# Altium PCB WATSH.PcbDoc (part 1 of 2)
Units mm, origin at the board's own origin, x right, y up, seen from the top; angles counter-clockwise.
Board outline 152.4 x 101.6 mm, 2 copper layers (Top Layer, Bottom Layer); 60 components, 41 nets, 179 pads, 101 vias.
Unrouted connection lines stored in the file: 1.
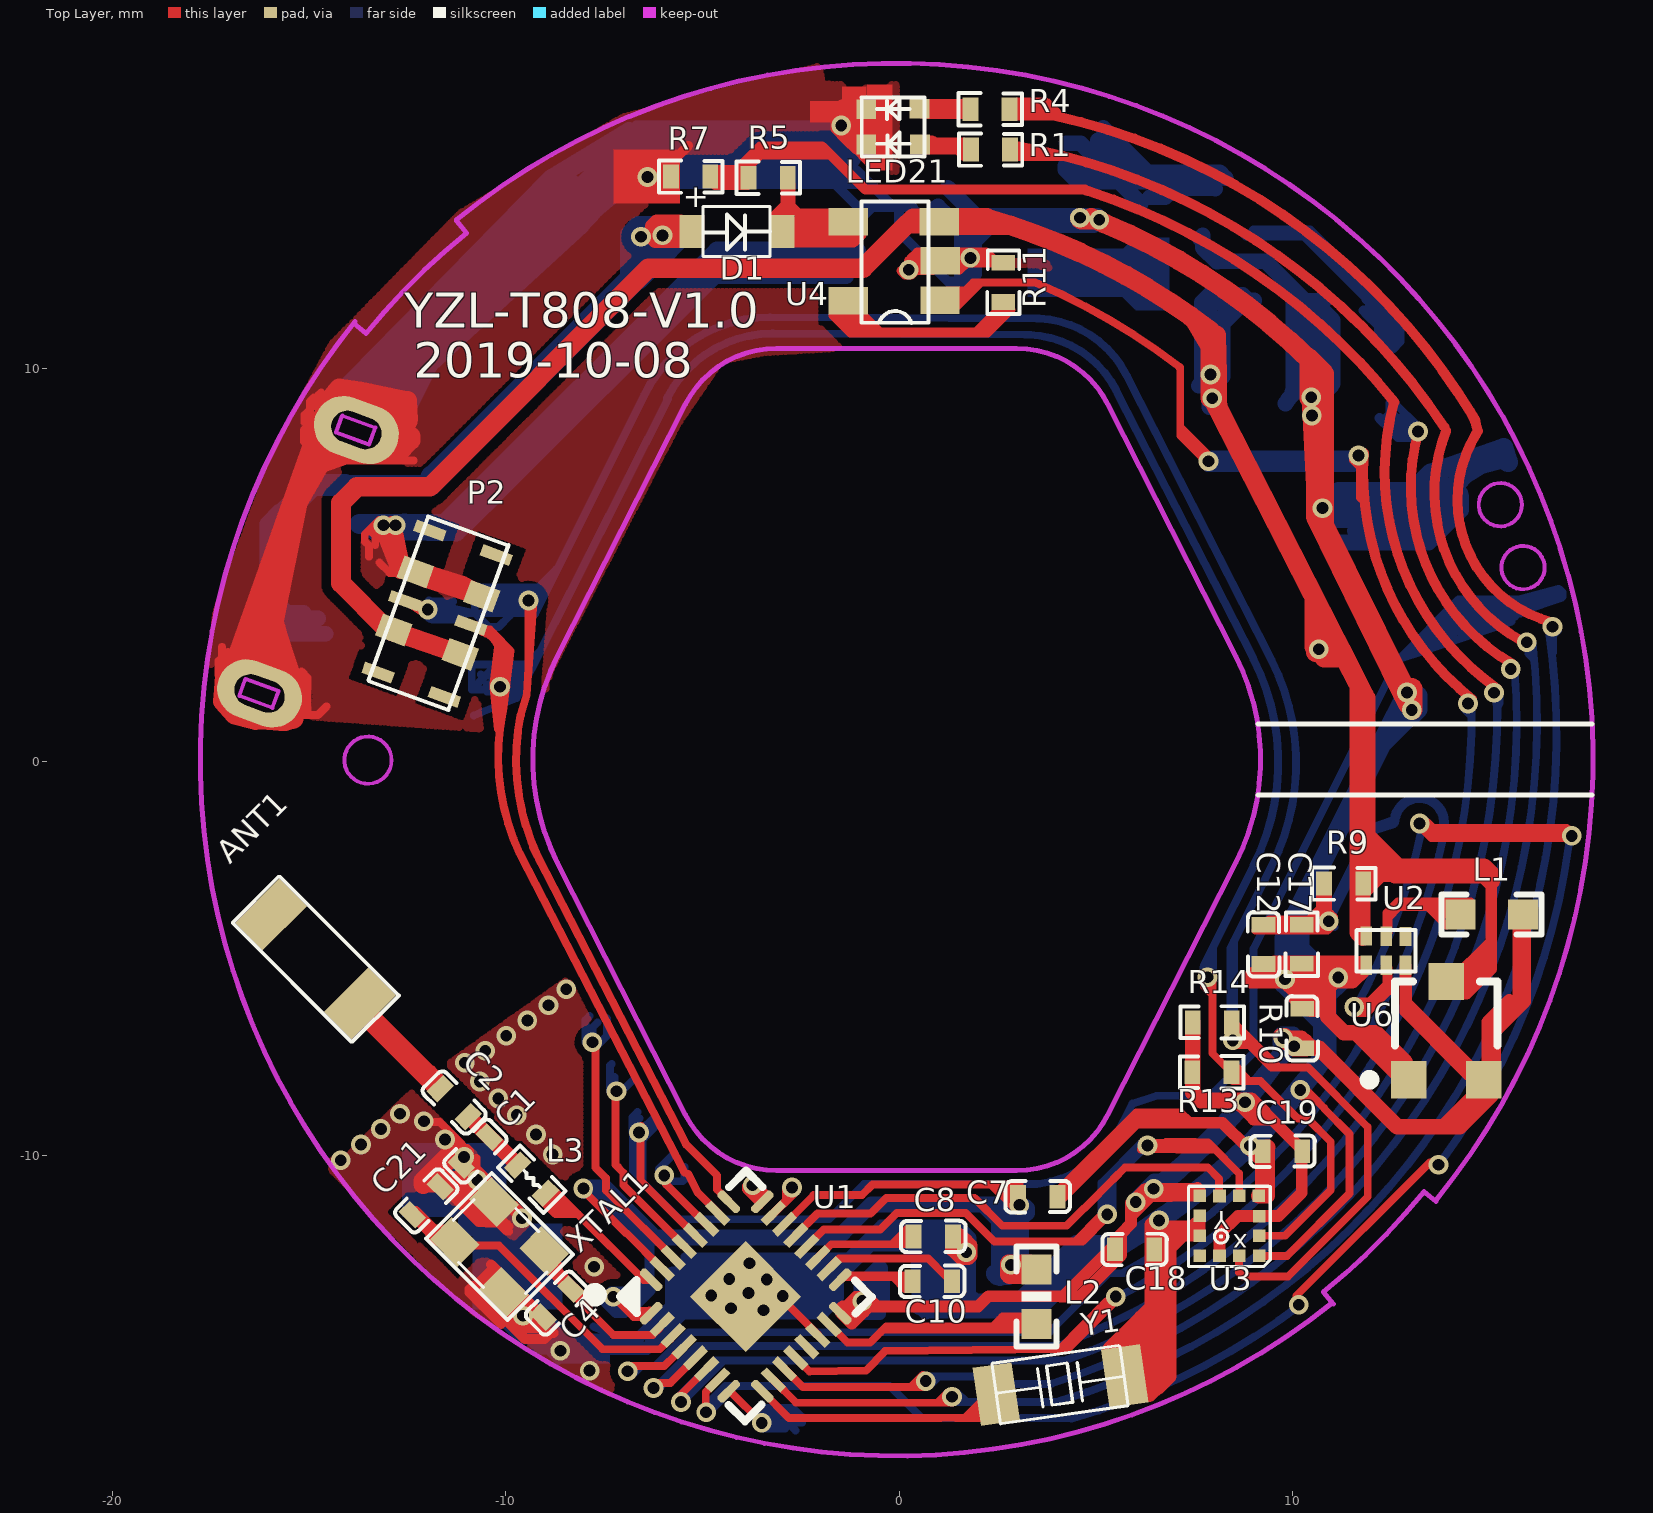
[diagram p0: Top Layer view]
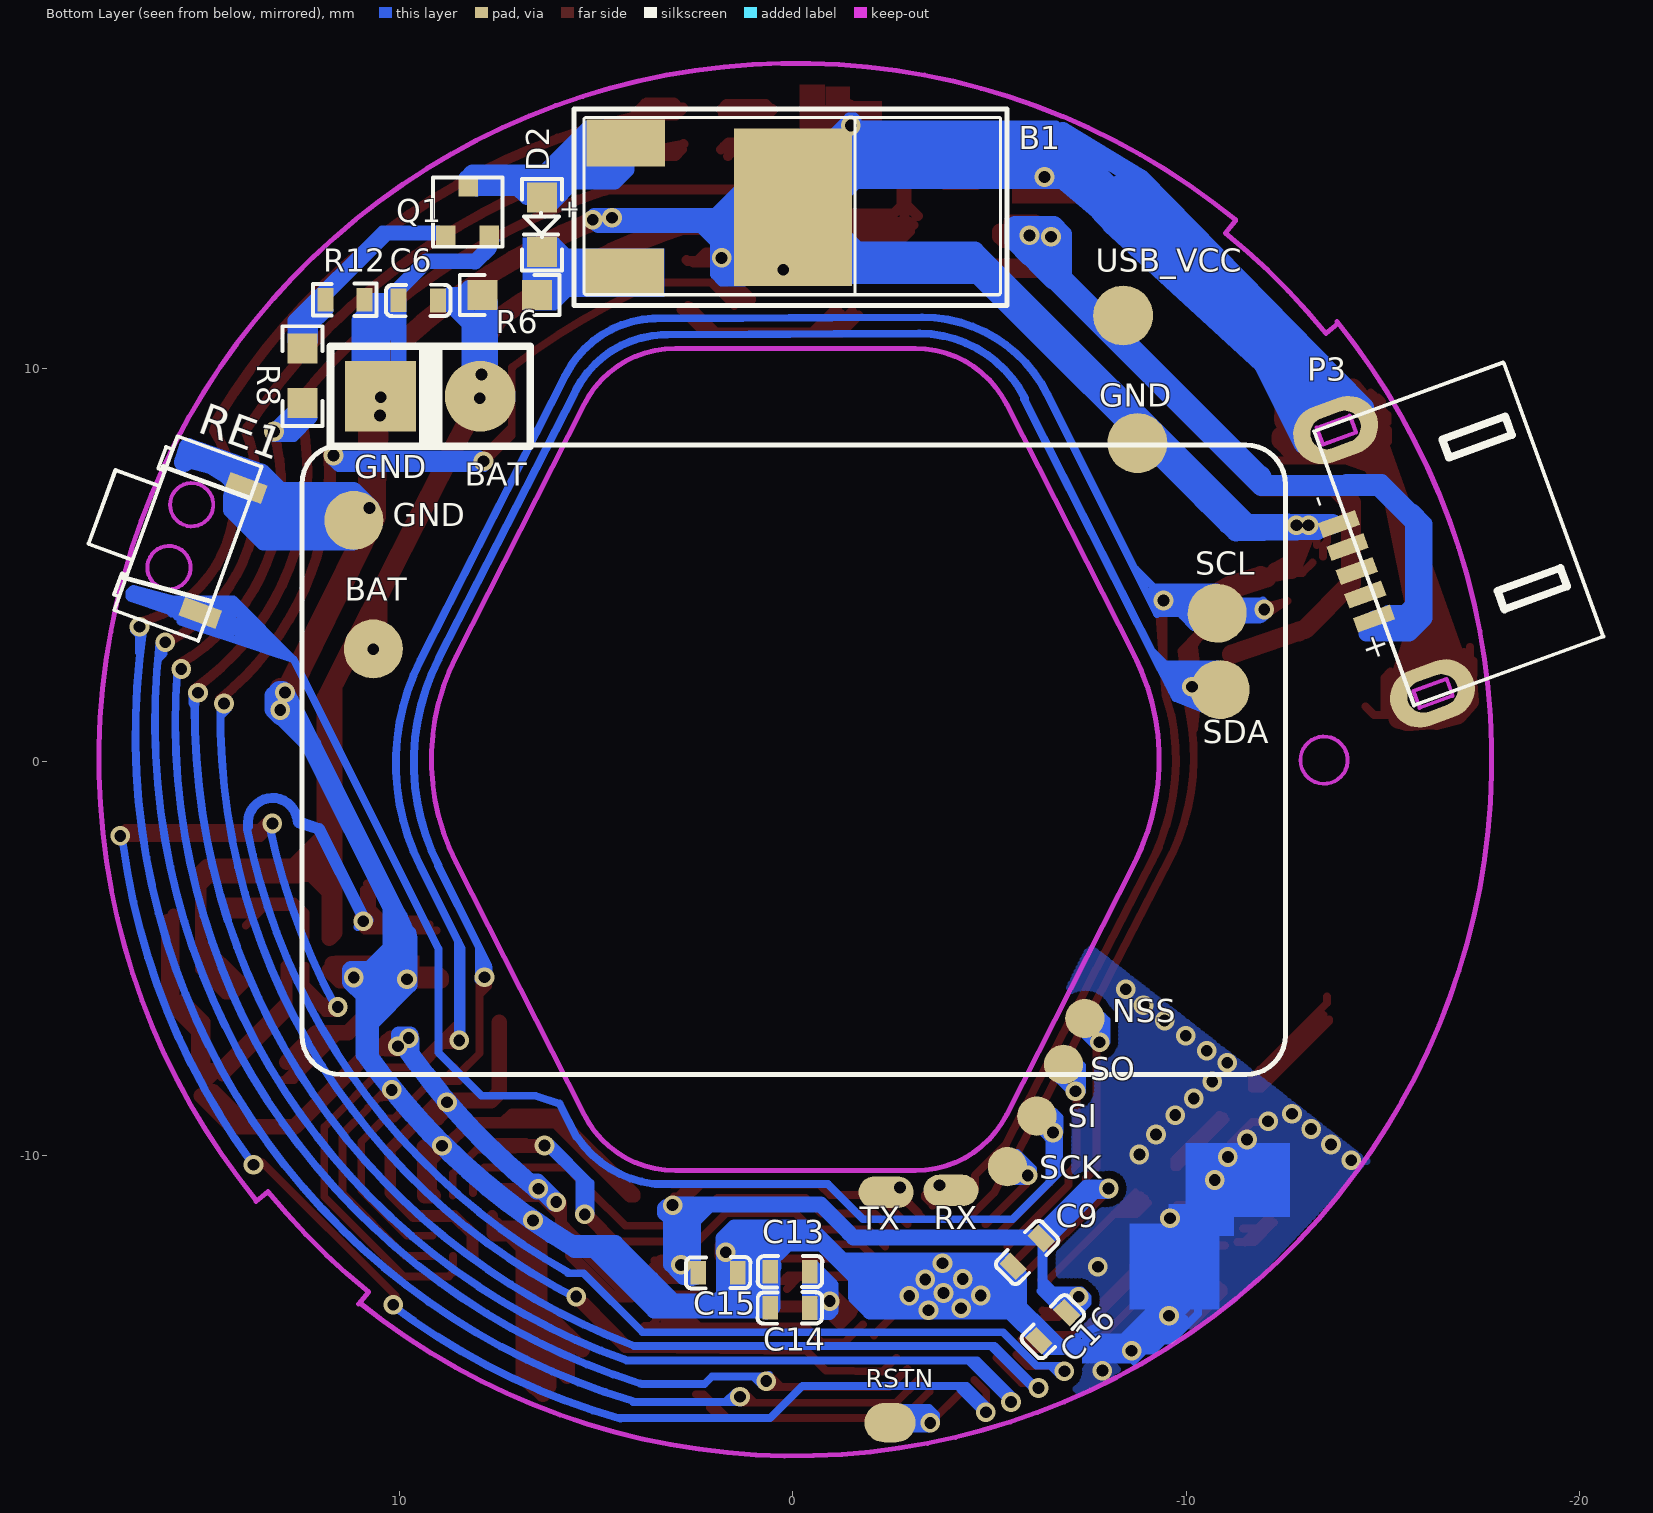
[diagram p1: Bottom Layer view, seen from below]

## Layer stack, top to bottom
Top Layer: signal copper 0.0356
Dielectric: dielectric 0.32, FR-4, Dk 4.8
Bottom Layer: signal copper 0.0356

## Board outline
-238.985,-134.146 -86.585,-134.146 -86.585,-32.546 -238.985,-32.546

## Design rules (kind name [scope] priority, off if disabled: settings)
Clearance [All] p1: gap=0.25
ComponentClearance [All] p1 off: gap=0.254 collisioncheckmode=3 verticalgap=0.254 showdistances=FALSE
DiffPairsRouting [All] p1 off: maxlimit=0.254 minlimit=0.254 mostfreqgap=0.254 maxuncoupledlength=12.7
HoleSize [All] p1 off: absolutevalues=TRUE maxlimit=2.54 minlimit=0.025 maxpercent=80.000 minpercent=20.000
HoleToHoleClearance [All] p1 off: gap=0.254 allowstackedmicrovias=TRUE
LayerPairs [All] p1 off: enforce=TRUE
MinimumSolderMaskSliver [All] p1 off: minsoldermaskwidth=0.254
NetAntennae [All] p1 off: netantennaetolerance=0
PlaneClearance [All] p1 off: clearance=0.508
PlaneConnect [All] p1 off: planeconnectstyle=Relief reliefexpansion=0.508 reliefentries=4 reliefconductorwidth=0.254 reliefairgap=0.254
PolygonConnect [All] p1 off: connectstyle=Relief reliefconductorwidth=0.254 reliefentries=4 polygonreliefangle="90 Angle"
RoutingVias [All] p1: holewidth=0.3 width=0.5 viastyle="Through Hole" minholewidth=0.3 minwidth=0.5 maxholewidth=0.3 maxwidth=0.5
ShortCircuit [All] p1 off: allowed=FALSE
SilkToSilkClearance [All] p1 off: silktosilkclearance=0.254
SilkscreenOverComponentPads [IsPad] p1 off: minsilkscreentomaskgap=0.254
SolderMaskExpansion [All] p1: expansion=0.102
Width [All] p1: maxlimit=1 minlimit=0.1 preferedwidth=0.2
16 further rules are at their usual default settings.

## Components (designator, comment, footprint, x,y, rotation, side; value= is the part's Value field where it differs from the comment)
ANT1 "ANT" 3216 -16.575,-7.954 r135 top
B1 "Motor" MODER -0.032,14.131 r180 bottom
BAT "测试点" TEXT_POINT#1 10.691,2.864 r0 top
C1 "3P" 0402_C -10.764,-9.882 r45 top
C2 "1P" 0402_C -11.29,-8.672 r315 top
C4 "15PF" 0402_C -8.689,-13.745 r45 top
C6 "2.2uF" 0402_C 9.505,11.73 r180 bottom
C7 "104" 0402_C 3.507,-11.067 r180 top
C8 "104" 0402_C 0.85,-12.079 r180 top
C9 "104" 0402_C -5.96,-12.458 r135 bottom
C10 "104" 0402_C 0.859,-13.2 r0 top
C12 "104" 0402_C 9.253,-4.629 r90 top
C13 "106" 0402_C 0.055,-12.954 r180 bottom
C14 "105" 0402_C 0.06,-13.877 r180 bottom
C15 "104" 0402_C 1.917,-13.001 r0 bottom
C16 "104" 0402_C -6.614,-14.343 r135 bottom
C17 "2.2uF" 0402_C 10.252,-6.799 r270 top
C18 "104" 0402_C 6.002,-12.391 r0 top
C19 "104" 0402_C 9.729,-9.912 r180 top
C21 "15PF" 0402_C -12.012,-11.145 r45 top
D1 "1N5819" SOD-323 -4.299,13.498 r0 top
D2 "1N5819" SOD-523 6.378,13.654 r270 bottom
GND "测试点" TEXT_POINT#1 11.185,6.134 r0 top
L1 "2.2uH" 0603p#1 15.056,-3.886 r180 top
L2 "2.2uH" 0603p#2 3.488,-13.594 r270 top
L3 "0R" 0402_L -9.288,-10.588 r135 top
LED21 "R_G_LED" 0603_R_G_LED -0.138,16.131 r270 top
NSS "测试点" TEXT_POINT#2 -7.396,-6.528 r0 top
P2 "MHDR2X3" AXF-6A-M -11.704,3.766 r250 top
P3 "MHDR1X5" MINI_USB_2P -16.913,5.783 r70 bottom locked
P5 "BAT" HDR1X2 10.485,9.286 r180 bottom
Q1 "SI2300" SOT-523 8.897,14.108 r180 bottom
R1 "1K" 0402_R#1 2.383,15.544 r0 top
R4 "1K" 0402_R#2 2.337,16.549 r0 top
R5 "1M" 0402_R#1 -3.267,14.83 r0 top
R6 "10R" 0603_R 7.263,11.842 r180 bottom
R7 "470K" 0402_R#1 -5.237,14.859 r0 top
R8 "47" 0603_R 12.444,9.731 r90 bottom
R9 "1M" 0402_R#1 11.36,-3.112 r0 top
R10 "470K" 0402_R#1 10.247,-4.582 r90 top
R11 "1.2K" 0402_R#2 2.683,12.204 r90 top
R12 "10K" 0402_R#2 11.41,11.774 r0 bottom
R13 "4.7K" 0402_R#2 7.936,-6.597 r180 top
R14 "4.7K" 0402_R#2 7.925,-7.866 r180 top
RE1 "KEY_M" "轻触开关 2x4" 15.456,5.688 r110 bottom locked
RSTN "测试点" TEXT_POINT#3 -2.472,-16.778 r90 bottom
RX "测试点" TEXT_POINT#4 -4.04,-10.899 r180 bottom
SCK "测试点" TEXT_POINT#5 -5.478,-10.296 r180 bottom
SCL "测试点" TEXT_POINT#6 -10.811,3.772 r180 bottom
SDA "测试点" TEXT_POINT#6 -10.887,1.829 r180 bottom
SI "测试点" TEXT_POINT#5 -6.226,-9.011 r180 bottom
SO "测试点" TEXT_POINT#5 -6.903,-7.696 r180 bottom
TX "RX" TEXT_POINT#4 -2.396,-10.946 r180 bottom
U1 "BK3431Q" QFN32 -3.858,-13.585 r315 top
U2 "662K" SOT-23 12.982,-8.077 r0 top
U3 "SC7A21" LGA-12-2*2*1 32.006,-15.031 r180 top
U4 "XT4051" SOT-23-5L -0.147,12.735 r90 top
U6 "TPS62730" R-PUSON-N6 12.383,-4.809 r180 top
XTAL1 "16MHz_10PPM_12p" 晶振2*2.6 -10.221,-12.439 r135 top
Y1 "32.768K" 晶振1.5*3.2 4.099,-15.859 r8 top

## Footprints (in the part's own frame and the unit in brackets; to place one, negate y for a bottom-side part, rotate by r counter-clockwise, add the part's x,y. Pads: shape width x height; smd on the part's side, far side on the other; paste and mask are expansions set on the pad)
0402_C [mm]
  rect 0.4x0.6 smd: 1(-0.518,-0.008) 2(0.485,-0.01)
  silkscreen extent -0.84,-0.41 0.8,0.39
0402_L [mm]
  rect 0.4x0.6 smd: 1(-0.481,0.054) 2(0.522,0.053)
  silkscreen extent -0.8,-0.35 0.84,0.45
0402_R#1 [mm]
  rect 0.4x0.6 smd: 1(-0.558,0.013) 2(0.435,0.013)
  silkscreen extent -0.86,-0.4 0.75,0.42
0402_R#2 [mm]
  rect 0.4x0.6 smd: 1(-0.522,0.032) 2(0.472,0.033)
  silkscreen extent -0.83,-0.38 0.78,0.44
0603_R [mil]
  rect 30x30 smd: 1(-24.45,0.72) 2(30.05,0.65)
  silkscreen extent -47,-19 53,21
0603_R_G_LED [mm]
  rect 0.5x0.5 smd: 1(-0.46,0.658) 2(0.447,0.668) 3(0.445,-0.696) 4(-0.453,-0.697)
  silkscreen extent -0.75,-0.81 0.75,0.78
0603p#1 [mil]
  rect 30x30 smd: 1(-31.62,0) 2(31,0)
  silkscreen extent -50,-20 50,20
0603p#2 [mil]
  rect 30x30 smd: 1(-27,0) 2(27.5,-0.06)
  silkscreen extent -50,-20 50,20
3216 [mm]
  rect 1x1.6 smd: 1(-0.752,-3.307) 2(2.45,-3.307)
  silkscreen extent -1.31,-4.15 2.99,-2.46
AXF-6A-M [mm]
  rect 0.3x0.8 smd: 0(-1.904,-0.928) 0(-1.898,0.871) 0(1.938,-0.934) 0(1.945,0.865)
  rect 0.6x0.8 smd: 1(-0.791,-0.915) 2(-0.785,0.883) 5(0.783,-0.926) 6(0.789,0.872)
  rect 0.3x0.8 smd paste+0: 3(-0.005,-0.924) 4(0.002,0.874)
  silkscreen extent -2.24,-1.09 2.22,1.07
HDR1X2 [mm] "Connector; Header; 2 Position"
  rect 1.8x1.8 smd: 1(0,0)
  round 1.8 smd: 2(2.54,0)
  silkscreen extent -1.27,-1.27 3.81,1.27
LGA-12-2*2*1 [mm]
  rect 0.32x0.32 smd: 1(22.857,-2.468) 2(22.854,-2.98) 3(22.855,-3.478) 4(22.862,-3.996) 5(23.36,-3.996) 6(23.863,-3.99) 7(24.361,-3.996) 8(24.364,-3.484) 9(24.361,-2.98) 10(24.361,-2.471) 11(23.863,-2.474) 12(23.363,-2.471)
  silkscreen extent 22.57,-4.24 24.65,-2.2
MINI_USB_2P [mm]
  rect 0.4x1 smd: 1(-1.285,2.748) 2(-0.638,2.749) 3(0.001,2.748) 4(0.65,2.761) 5(1.278,2.763)
  oval 1.5x2.2 hole 0.8 slot 1.3 at 90 deg: 6(-3.58,2.002) 7(3.552,2.027)
  Keep-Out Layer lines w0.1: -3.808,1.54 -3.361,1.54 -3.356,1.545 -3.356,2.439 -3.361,2.434 -3.814,2.434 -3.814,1.545 -3.808,1.54 ; 3.321,1.561 3.768,1.561 3.774,1.566 3.774,2.46 3.768,2.454 3.316,2.454 3.316,1.566 3.321,1.561
  silkscreen extent -3.7,-2.57 3.71,2.55
MODER [mm] "Connec"
  rect 3x4 smd: 0(-0.027,-0.043)
  rect 2x1.2 smd: 1(-4.31,-1.69) 2(-4.279,1.589)
  silkscreen extent -5.35,-2.26 5.24,2.24
QFN32 [mm]
  oct 0.22x0.7 smd: 1(-1.423,-2.039) 8(1.377,-2.039) 17(1.377,1.961) 24(-1.423,1.961)
  rect 0.22x0.7 smd: 2(-1.023,-2.039) 3(-0.623,-2.039) 4(-0.223,-2.039) 5(0.177,-2.039) 6(0.577,-2.039) 7(0.977,-2.039) 18(0.977,1.961) 19(0.577,1.961) 20(0.177,1.961) 21(-0.223,1.961) 22(-0.623,1.961) 23(-1.023,1.961)
  oct 0.7x0.22 smd: 9(1.977,-1.439) 16(1.977,1.361) 25(-2.023,1.361) 32(-2.023,-1.439)
  rect 0.7x0.22 smd: 10(1.977,-1.039) 11(1.977,-0.639) 12(1.977,-0.239) 13(1.977,0.161) 14(1.977,0.561) 15(1.977,0.961) 26(-2.023,0.961) 27(-2.023,0.561) 28(-2.023,0.161) 29(-2.023,-0.239) 30(-2.023,-0.639) 31(-2.023,-1.039)
  rect 2x2 smd: 33(-0.023,-0.039)
  silkscreen extent -2.91,-2.87 2.26,2.23
R-PUSON-N6 [mm]
  rect 0.3x0.49 smd: 1(-0.49,-0.365) 2(0.003,-0.368) 3(0.508,-0.377) 4(0.508,0.365) 5(0,0.368) 6(-0.487,0.368)
  silkscreen extent -0.74,-0.53 0.76,0.53
SOD-323 [mm]
  rect 0.63x0.83 smd: 1(-0.965,-0.025) 2(1.321,-0.025)
  silkscreen extent -0.69,-0.66 1.02,0.61
SOD-523 [mil]
  rect 30x30 smd: 1(-27.04,0.03) 2(27.46,-0.03)
  silkscreen extent -45,-20 46,20
SOT-23 [mm]
  rect 0.9x0.95 smd: 1(-0.025,-0.011) 2(1.875,-0.011) 3(0.925,2.489)
  silkscreen extent -1.15,-0.14 2.23,2.49
SOT-23-5L [mm]
  rect 0.7x1 smd: 1(-1.006,-1.184) 2(-0.007,-1.19) 3(0.987,-1.169) 4(0.987,1.15) 5(-1.016,1.15)
  silkscreen extent -1.59,-0.89 1.5,0.81
SOT-523 [mm]
  rect 0.5x0.5 smd: 1(0.075,-0.736) 2(1.177,-0.736) 3(0.645,0.51)
  silkscreen extent -0.25,-1.02 1.52,0.73
TEXT_POINT#1 [mm]
  round 1.5 smd far side: 1(-0.025,0)
TEXT_POINT#2 [mm]
  round 1 smd far side: 1(-0.025,0)
TEXT_POINT#3 [mm]
  oval 1x1.3 smd: 1(-0.025,0)
TEXT_POINT#4 [mm]
  oval 1.4x0.8 smd: 1(-0.025,0)
TEXT_POINT#5 [mm]
  round 1 smd: 1(-0.025,0)
TEXT_POINT#6 [mm]
  round 1.5 smd: 1(-0.025,0)
晶振1.5*3.2 [mm]
  rect 1x1.5 smd: 1(-1.643,0.01) 2(1.656,0.016)
  silkscreen extent -1.64,-0.76 1.64,0.8
晶振2*2.6 [mm]
  rect 1x0.8 smd: 1(-0.846,-0.852) 2(0.938,-0.828) 3(0.92,0.6) 4(-0.864,0.612)
  silkscreen extent -1.43,-1.31 1.5,1.05
"轻触开关 2x4" [mm]
  rect 0.5x1 smd: 1(-1.66,-1.025) 2(1.723,-1.025)
  Keep-Out Layer circle w0.1: c0.851,0.124 r0.55
  Keep-Out Layer circle w0.1: c-0.849,0.119 r0.55
  silkscreen extent -2.34,-1.22 2.37,2.25

## Part data
B1: "Motor, General Kind"
C1 C2: library part Cap, "Capacitor"
C6 C7 C8 C9 C10 C12 C13 C14 C15 C16 C17 C18 C19: library part Cap, "C"
D1 D2: library part "Diode 1N4001", "1 Amp General Purpose R"
L1 L2: library part INDUCTOR
P2: "Header, 3-Pin,"
P3: "Heade"
P5: library part "Header 2", "Header, 2-Pin"
Q1: library part MOSFET-N, "N-Chann"
U3: library part SC
U6: library part TPS6

## Free pads (board coordinates)
  round 1.524 smd far side: 0(-8.758,8.097) 1(-8.394,11.339)

## Via types
v1: diameter 0.5, hole 0.3, Top Layer to Bottom Layer, 101 vias

## Nets (pads, with @x,y where several pads share a name; then routed paths per layer and width w, separated by ;. In a path a pad name is that pad's centre, name@x,y a point inside that pad or via, vN(x,y) a via of type N, cw(c..) or ccw(c..) an arc to the next point about the centre after c; other vN are vias at no path point)
ANT: L3.1 U1.32 | length 5.5
  Top Layer w0.2: L3.1@-9.023,-11.211 -8.733,-11.501 -8.562,-11.501 ; L3.1@-8.948,-11.103 -8.948,-11.115 -8.562,-11.501 ; L3.1@-8.849,-11.028 -8.434,-11.444 -8.434,-11.501 ; L3.1@-8.712,-10.952 -8.163,-11.501 ; U1.32@-6.306,-13.172 -6.493,-13.172 -8.163,-11.501 ; -8.562,-11.501 -8.434,-11.501 ; -8.434,-11.501 -8.163,-11.501
BAT: BAT.1 C6.2 P2.5 P2.6 P5.2 R6.1 R9.2 U2.3 U4.3 U6.3 | length 103.9
  Top Layer w0.3: 11.871,-2.219 12.155,-2.503 ; 11.954,1.642 11.954,-1.921 11.954,-2.061 12.155,-2.262 12.155,-2.503 ; 14.862,-5.08 14.355,-5.588 U2.3@14.05,-5.588 ; 12.155,-2.503 12.515,-2.863 12.594,-2.942 14.908,-2.942 14.938,-2.942 15.052,-3.056 15.052,-4.586 ; U2.3@14.05,-5.588 U2.3@13.907,-5.588 14.222,-5.902 14.421,-5.902 15.052,-5.271 15.052,-4.586 ; U2.3@14.05,-5.588 15.052,-4.586
  Top Layer w0.4: -6.022,12.528 -0.966,12.528 -0.952,12.543 0.227,13.722 U4.3@1.022,13.722 ; 0.03,13.544 0.347,13.861 1.322,13.861 1.432,13.752 U4.3@1.432,13.74 ; 2.232,13.877 1.222,13.877 1.155,13.81 1.056,13.81 1.022,13.777 U4.3@1.022,13.722 ; 2.835,13.586 1.211,13.586 1.075,13.722 U4.3@1.022,13.722 ; 11.649,1.923 11.649,0.041 11.646,0.039 11.646,-4.348 11.785,-4.486 R9.2@11.785,-3.269 ; R9.2@11.796,-3.099 11.796,-1.763 ; 11.796,1.67 11.796,-1.763 ; R9.2@11.803,-3.296 12.236,-2.863 ; 12.053,-2.488 12.053,-2.679 12.236,-2.863 ; 15.005,-3.039 14.908,-2.942 14.77,-2.804 14.627,-2.804 14.483,-2.661 ; 15.075,-3.041 15.075,-2.866 14.87,-2.661 14.483,-2.661 ; 11.796,-1.763 11.954,-1.921 12.694,-2.661 13.36,-2.661 ; 12.236,-2.863 12.515,-2.863 12.816,-2.863 12.875,-2.804 13.36,-2.804 13.36,-2.661 ; 13.36,-2.661 14.483,-2.661
  Top Layer w0.5: P2.6@-11.154,2.726 -12.855,3.309 -13.012,3.363 -14.184,4.535 -14.184,6.578 -13.779,6.983 -11.928,6.983 -6.368,12.543 -0.952,12.543 -0.918,12.543 0.211,13.672 0.504,13.672 ; 2.202,13.813 cw(c-2.254,-2.157) 7.912,10.941 ; 7.521,11.213 8.045,10.342 8.045,10.169 ; 7.912,10.944 7.912,10.941 ; 7.918,10.937 ccw(c-2.254,-2.157) 7.912,10.941 ; v1@7.949,9.206 7.912,9.244 7.912,10.941 ; v1@7.978,9.223 8.093,8.998 ; 8.06,10.833 8.078,9.841 8.089,9.237 8.093,8.998 ; 10.556,4.058 10.556,2.922 10.592,2.886 10.592,2.782 v1(10.665,2.855) ; v1@10.802,2.966 10.802,2.64 11.333,2.64 ; 11.821,1.682 11.333,2.64 ; 8.093,8.998 11.108,3.081 11.333,2.64
  Bottom Layer w0.4: P5.2@7.613,9.552 7.694,9.632 7.694,11.67 R6.1@7.884,11.86 7.884,9.019 P5.2@7.892,9.011 ; R6.1@7.884,11.86 8.413,11.861 ; P5.2@7.945,9.286 P5.2@7.945,9.512 ; R6.1@8,11.647 8.073,11.72 C6.2@9.02,11.72 ; R6.1@8.234,12.04 8.413,11.861 ; 8.724,11.63 8.716,11.622 ; 8.782,11.809 8.73,11.861 8.413,11.861 ; C6.2@8.913,11.622 8.716,11.622 ; P5.2@7.945,9.512 7.945,11.042 8.525,11.622 8.716,11.622 ; P5.2@7.945,9.512 8.22,9.786 8.22,11.125 8.716,11.622
  other v1: 7.958,9.234 7.915,9.838
BAT_TEXT: C12.2 R9.1 R10.2 U1.4 | length 46.7
  Top Layer w0.2: v1(-6.9,-15.494) -6.769,-15.363 -5.971,-15.363 U1.4@-5.68,-15.072 ; C12.2@9.051,-4.293 10.891,-4.293 11.055,-4.129 11.055,-3.949 v1@10.971,-3.865 ; C12.2@9.431,-4.242 R10.2@10.312,-4.242 ; R10.2@10.212,-4.145 10.211,-4.144 C12.2@9.263,-4.144 9.231,-4.144 9.233,-4.142 9.278,-4.142 9.406,-4.014 R10.2@10.409,-4.014 ; R10.2@10.312,-4.274 R10.2@10.312,-4.242 ; 10.663,-4.014 10.572,-4.014 ; 10.695,-3.668 R9.1@10.695,-3.297 ; v1@10.786,-4.245 v1@10.786,-4.226 ; v1@10.786,-3.899 v1@10.786,-4.06 ; 10.799,-3.788 10.572,-4.014 ; R9.1@10.802,-3.099 10.827,-3.099 10.733,-3.193 10.733,-3.69 R10.2@10.409,-4.014 ; R9.1@10.903,-3.247 v1@10.903,-4.022 ; v1(10.923,-4.06) v1@10.903,-4.06 ; v1@10.937,-4.226 v1@10.903,-4.226 ; v1@10.948,-3.976 v1@10.903,-4.022 ; R10.2@10.312,-4.242 R10.2@10.312,-4.111 ; R10.2@10.312,-4.242 R10.2@10.344,-4.242 ; R10.2@10.312,-4.111 10.312,-4.079 R10.2@10.344,-4.079 ; R10.2@10.312,-4.111 R10.2@10.344,-4.079 ; R10.2@10.344,-4.079 R10.2@10.409,-4.014 ; R10.2@10.344,-4.079 R10.2@10.507,-4.079 ; R10.2@10.344,-4.242 R10.2@10.482,-4.242 ; R10.2@10.344,-4.242 R10.2@10.507,-4.079 ; R10.2@10.409,-4.014 10.572,-4.014 ; R10.2@10.482,-4.242 10.495,-4.242 R10.2@10.511,-4.226 ; R10.2@10.482,-4.242 10.498,-4.226 R10.2@10.511,-4.226 ; R10.2@10.507,-4.079 10.657,-4.079 ; R10.2@10.507,-4.079 10.572,-4.014 ; R10.2@10.511,-4.226 10.657,-4.079 ; R10.2@10.511,-4.226 v1@10.786,-4.226 ; 10.657,-4.079 10.677,-4.06 v1@10.786,-4.06 ; 10.657,-4.079 v1@10.786,-4.079 ; v1@10.786,-4.226 v1@10.786,-4.079 ; v1@10.786,-4.226 v1@10.903,-4.226 ; v1@10.786,-4.079 v1@10.786,-4.06 ; v1@10.786,-4.079 10.845,-4.079 v1@10.865,-4.06 ; v1@10.786,-4.06 v1@10.865,-4.06 ; v1@10.865,-4.06 v1@10.903,-4.022 ; v1@10.865,-4.06 v1@10.903,-4.06 ; v1@10.903,-4.226 v1@10.903,-4.06 ; v1@10.903,-4.06 v1@10.903,-4.022